# Altium PCB DIO_MCX_Isolated_mezzanine.PCBDOC (part 1 of 3) (continued)
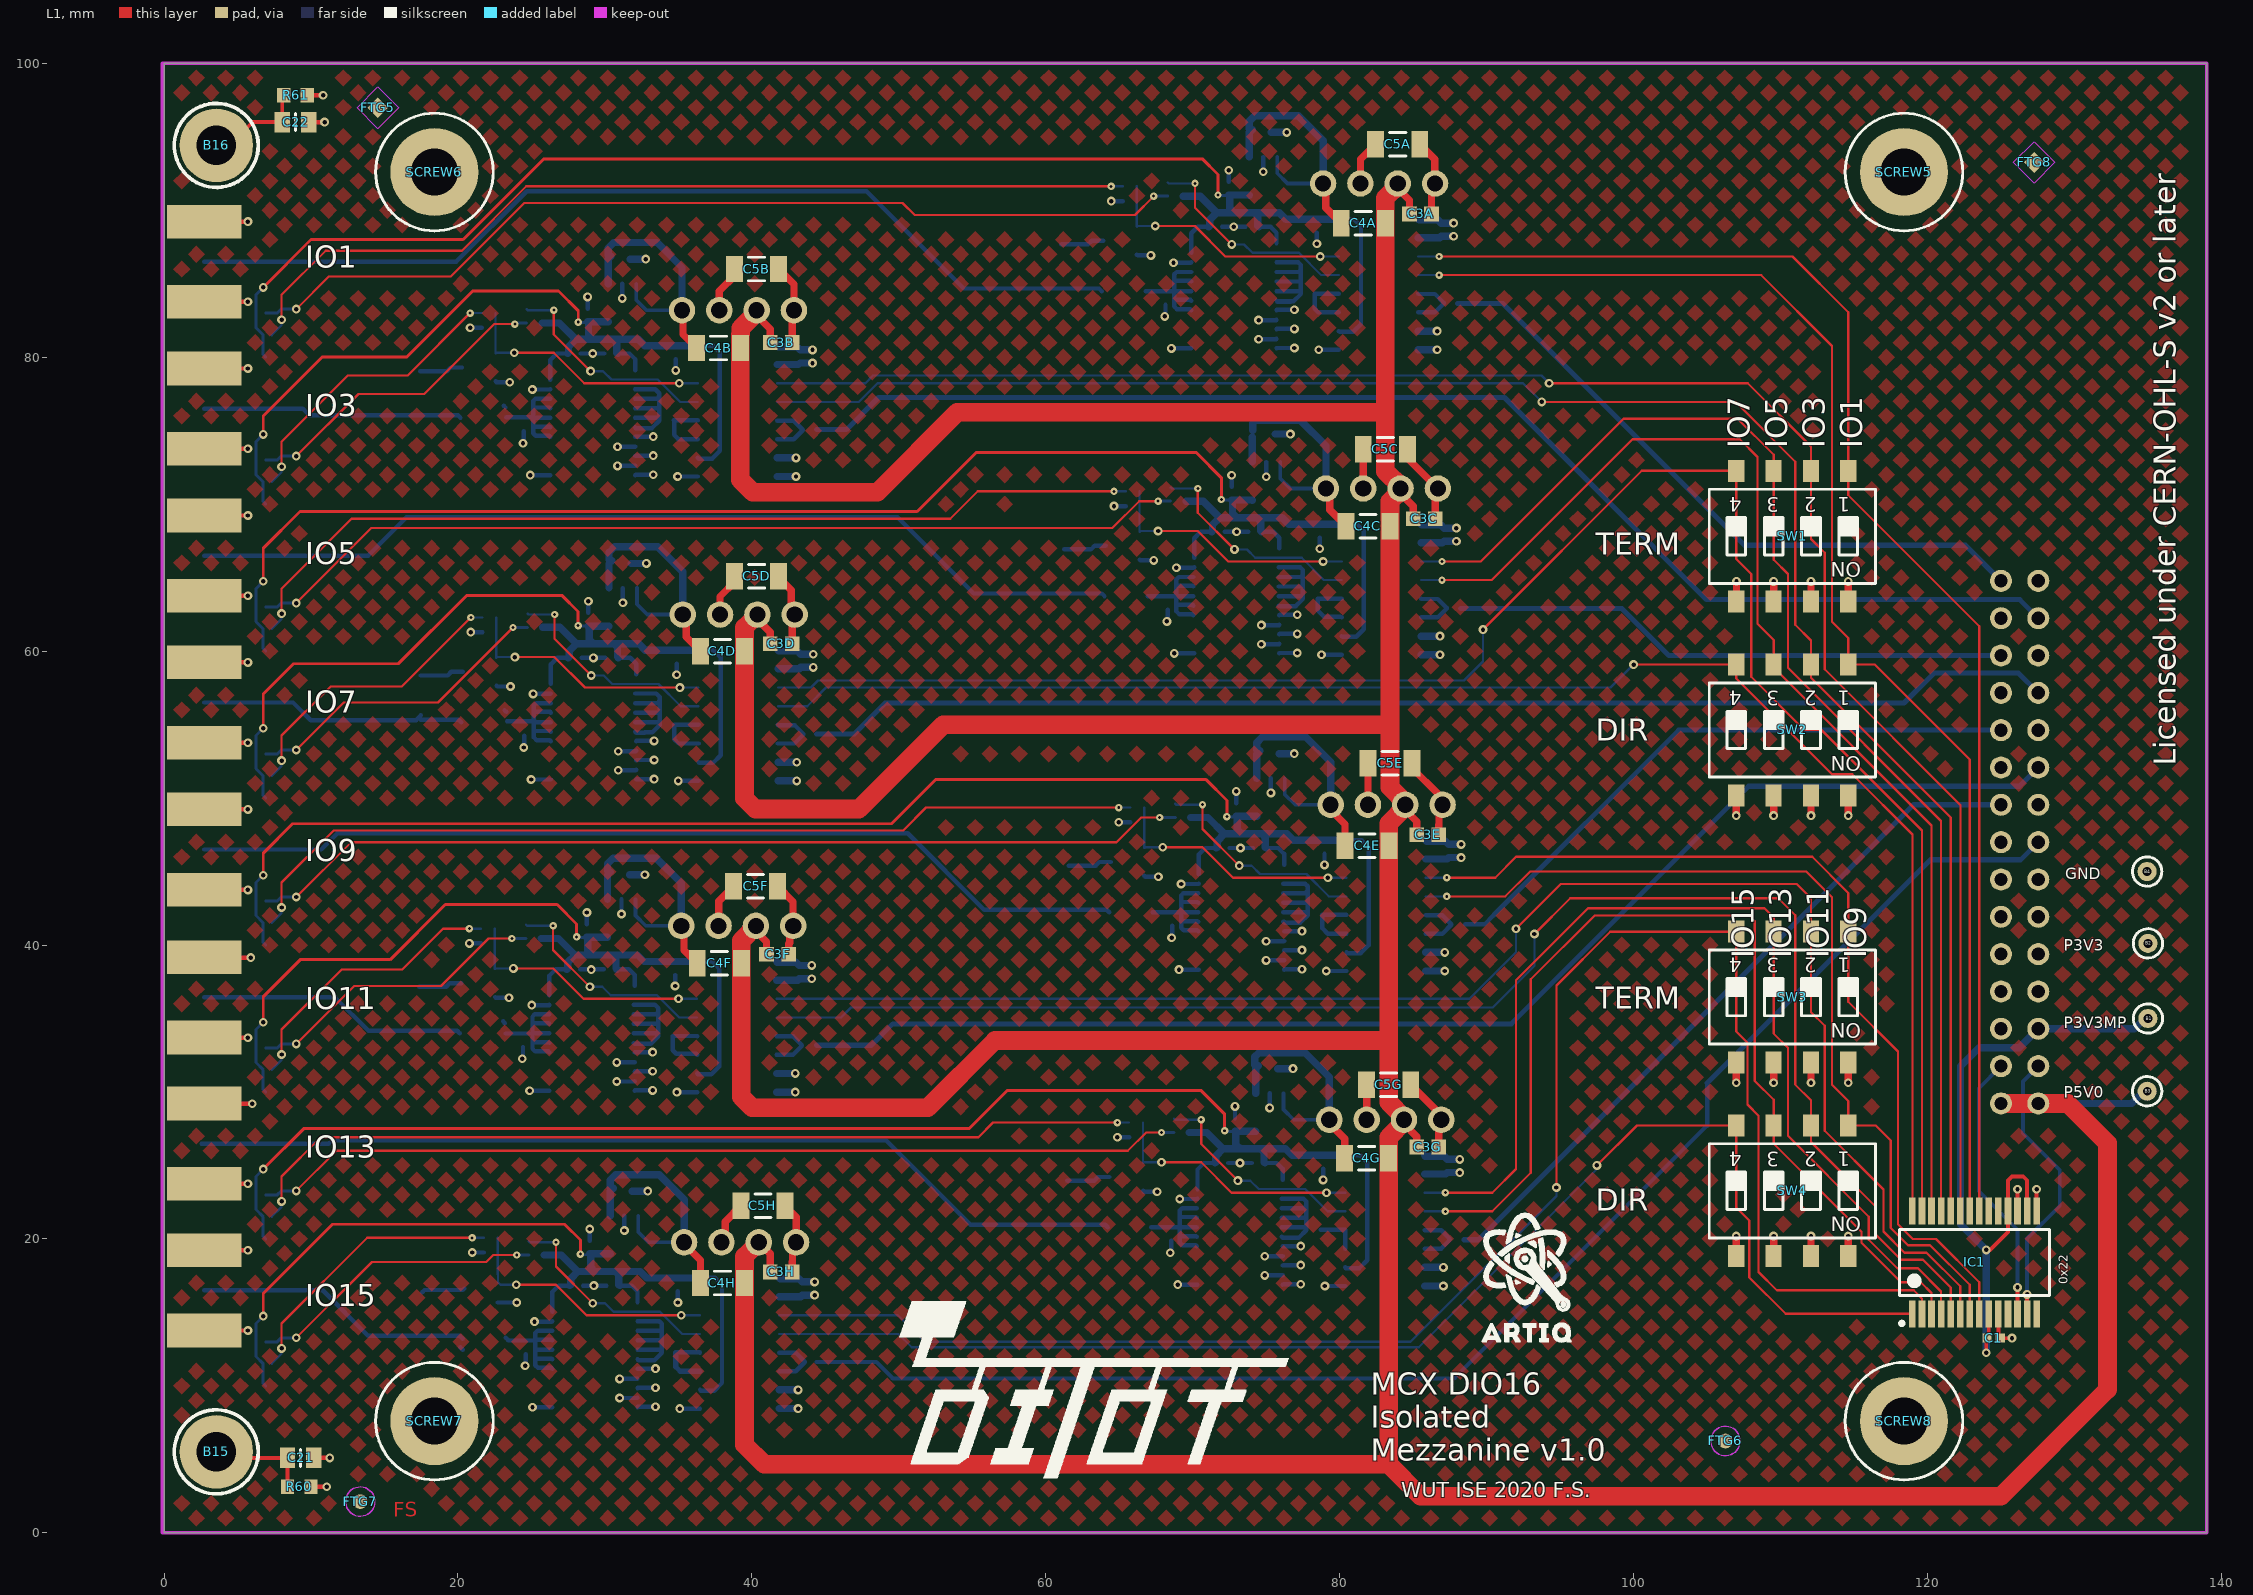
[diagram p0: L1 view]
## Design rules (kind name [scope] priority, off if disabled: settings)
AcuteAngle AcuteAngle_GND [InNet('GND')] p1: minimum=5.00000000000000E+0001 checktracksonly=FALSE
AcuteAngle [All] p2: minimum=5.00000000000000E+0001 checktracksonly=FALSE
Clearance Clearance_balance [InNamedPolygon('BAL_TOP') or InNamedPolygon('BAL_BOT')] p1: gap=0.25 ignorepadtopadclearanceinfootprint=FALSE
Clearance Clearance_KeepOut [OnLayer('Keep-Out Layer') vs NOT (InComponent('J8') OR InComponent('J11'))] p2: gap=0.127 ignorepadtopadclearanceinfootprint=FALSE
Clearance [Not (OnLayer('Keep-Out Layer'))] p3: gap=0.127 ignorepadtopadclearanceinfootprint=FALSE except(0: Arc-Hole Track-Hole SMDPad-Hole THPad-Hole Via-Hole Fill-Hole Poly-Hole Region-Hole Text-Hole; 0.203: Arc-Poly Track-Poly SMDPad-Poly THPad-Poly Via-Poly Fill-Poly Poly-Poly)
Clearance Clearance_abs [All] p4: gap=0.127 ignorepadtopadclearanceinfootprint=FALSE
ComponentClearance ComponentClearance_washer [InComponent('WASHER1') or  InComponent('WASHER2') or InComponent('WASHER3') or InComponent('WASHER4')] p1: gap=0 collisioncheckmode=3 verticalgap=0 showdistances=FALSE
ComponentClearance Clearance_Radiall_Placement [HasFootprint('Coaxipack2') vs HasFootprint('Coaxipack2')] p2: gap=0 collisioncheckmode=3 verticalgap=0.254 showdistances=FALSE
ComponentClearance [All] p3: gap=0.254 collisioncheckmode=3 verticalgap=0.254 showdistances=FALSE
FabricationTestPointUsage TestPointUsage [All] p1: valid=0 allowmultiple=FALSE
FabricationTestpoint Testpoint [(IsPad And (OnTopLayer Or OnBottomLayer))] p1: side=3 testpointundercomponent=TRUE minsize=1.016 maxsize=2.54 preferedsize=1.524 minholesize=0 maxholesize=1.016 preferedholesize=0.813 testpointgrid=0.025 allowsidetop=TRUE allowsidebottom=TRUE usegrid=TRUE gridtolerance=0
Height BottomHeight [All] p1: minheight=0 maxheight=20 prefheight=10
Height TopHeight [OnLayer('Top Layer (LO)')] p2: minheight=0 maxheight=2.5 prefheight=1
HoleSize [All] p1: absolutevalues=TRUE maxlimit=5 minlimit=0.2 maxpercent=80.000 minpercent=20.000
HoleToHoleClearance [All] p1: gap=0.2 allowstackedmicrovias=TRUE
Length [All] p1 off: maxlimit=2540 minlimit=0
MinimumAnnularRing MinimumAnnularRing_Blind [(InNetClass('50_Ohms') OR InDifferentialPairClass('All Differential Pairs'))] p1: minimumring=0.1
MinimumAnnularRing [All] p2: minimumring=0.1
MinimumSolderMaskSliver [All] p1: minsoldermaskwidth=0.05
PlaneClearance [All] p1: clearance=0.25
PlaneConnect PlaneConnect_pad [InPadClass('All Pads')] p1: planeconnectstyle=Relief reliefexpansion=0.508 reliefentries=4 reliefconductorwidth=0.254 reliefairgap=0.254
PlaneConnect [All] p2: planeconnectstyle=Direct reliefexpansion=0.508 reliefentries=4 reliefconductorwidth=0.254 reliefairgap=0.254
PolygonConnect PolygonConnect_pad [IsPad] p1: connectstyle=Relief reliefconductorwidth=0.15 reliefentries=4 polygonreliefangle="90 Angle" airgapwidth=0.152
PolygonConnect [All] p2: connectstyle=Direct reliefconductorwidth=0.254 reliefentries=4 polygonreliefangle="90 Angle" airgapwidth=0.254
RoomDefinition U_Channel6 [InComponentClass('U_Channel6')] p1: confinementstyle=ConfineIn formatcopy=TRUE lockcomponents=FALSE outline 45.075,28.305 14.875,28.305 14.875,46.235 45.075,46.235
RoomDefinition U_Channel2 [InComponentClass('U_Channel2')] p2: confinementstyle=ConfineIn formatcopy=TRUE lockcomponents=FALSE outline 45.125,68.4 14.925,68.4 14.925,88.125 45.125,88.125
RoomDefinition U_Channel3 [InComponentClass('U_Channel3')] p3: confinementstyle=ConfineIn formatcopy=TRUE lockcomponents=FALSE outline 88.945,58.87 58.745,58.87 58.745,75.995 88.945,75.995
RoomDefinition U_Channel4 [InComponentClass('U_Channel4')] p4: confinementstyle=ConfineIn formatcopy=TRUE lockcomponents=FALSE outline 45.175,50.065 14.975,50.065 14.975,67.415 45.175,67.415
RoomDefinition U_Channel5 [InComponentClass('U_Channel5')] p5: confinementstyle=ConfineIn formatcopy=TRUE lockcomponents=FALSE outline 89.265,37.38 59.065,37.38 59.065,54.475 89.265,54.475
RoomDefinition U_Channel7 [InComponentClass('U_Channel7')] p6: confinementstyle=ConfineIn formatcopy=TRUE lockcomponents=FALSE outline 89.175,13.315 58.975,13.315 58.975,33.04 89.175,33.04
RoomDefinition U_Channel8 [InComponentClass('U_Channel8')] p7: confinementstyle=ConfineIn formatcopy=TRUE lockcomponents=FALSE outline 45.27,4.976 15.07,4.976 15.07,24.701 45.27,24.701
RoomDefinition U_Channel1 [InComponentClass('U_Channel1')] p8: confinementstyle=ConfineIn formatcopy=TRUE lockcomponents=FALSE outline 88.75,77.025 58.55,77.025 58.55,96.75 88.75,96.75
RoomDefinition MCX_Isolated_Mezzanine [InComponentClass('MCX_Isolated_Mezzanine')] p9: confinementstyle=ConfineIn formatcopy=TRUE lockcomponents=FALSE outline 160,1.436 199.02,1.436 199.02,14.085 160,14.085
RoutingVias [All] p1: holewidth=0.3 width=0.6 viastyle="Through Hole" minholewidth=0.2 minwidth=0.5 maxholewidth=0.6 maxwidth=1
SMDNeckDown [All] p1 off: percent=100.000
SMDToCorner [All] p1 off: distance=78740
SMDToPlane [All] p1 off: distance=0
SilkToSilkClearance [All] p1: silktosilkclearance=0
SilkToSolderMaskClearance SilkscreenOverComponentPads [IsPad] p1: minsilkscreentomaskgap=0 clearancetoexposedcopper=TRUE
SolderMaskExpansion SolderMaskExpansion_GND_VIA [IsVia AND InNet('GND')] p1: expansion=-0.1
SolderMaskExpansion [All] p2: expansion=0.05
UnRoutedNet [All] p1: checkbadconnections=TRUE
Width "Schematic Width Constraint_39" [InNet('NetIC15F_5')] p1: maxlimit=0.35 minlimit=0.3 preferedwidth=0.35
Width "Schematic Width Constraint_38" [InNet('IO_CON3')] p2: maxlimit=0.35 minlimit=0.3 preferedwidth=0.35
Width "Schematic Width Constraint_37" [InNet('IO13')] p3: maxlimit=0.35 minlimit=0.3 preferedwidth=0.35
Width "Schematic Width Constraint_36" [InNet('NetIC15G_5')] p4: maxlimit=0.35 minlimit=0.3 preferedwidth=0.35
Width "Schematic Width Constraint_35" [InNet('NetIC3F_17')] p5: maxlimit=0.35 minlimit=0.3 preferedwidth=0.35
Width "Schematic Width Constraint_34" [InNet('NetIC3G_17')] p6: maxlimit=0.35 minlimit=0.3 preferedwidth=0.35
Width "Schematic Width Constraint_33" [InNet('NetIC3F_3')] p7: maxlimit=0.35 minlimit=0.3 preferedwidth=0.35
Width "Schematic Width Constraint_32" [InNet('IO3')] p8: maxlimit=0.35 minlimit=0.3 preferedwidth=0.35
Width "Schematic Width Constraint_31" [InNet('NetIC15H_5')] p9: maxlimit=0.35 minlimit=0.3 preferedwidth=0.35
Width "Schematic Width Constraint_30" [InNet('IO15')] p10: maxlimit=0.35 minlimit=0.3 preferedwidth=0.35
Width "Schematic Width Constraint_29" [InNet('IO_CON5')] p11: maxlimit=0.35 minlimit=0.3 preferedwidth=0.35
Width "Schematic Width Constraint_28" [InNet('IO1')] p12: maxlimit=0.35 minlimit=0.3 preferedwidth=0.35
Width "Schematic Width Constraint_27" [InNet('NetIC3H_3')] p13: maxlimit=0.35 minlimit=0.3 preferedwidth=0.35
Width "Schematic Width Constraint_26" [InNet('IO5')] p14: maxlimit=0.35 minlimit=0.3 preferedwidth=0.35
Width "Schematic Width Constraint_25" [InNet('NetIC3G_3')] p15: maxlimit=0.35 minlimit=0.3 preferedwidth=0.35
Width "Schematic Width Constraint_24" [InNet('NetIC3H_17')] p16: maxlimit=0.35 minlimit=0.3 preferedwidth=0.35
Width "Schematic Width Constraint_23" [InNet('NetIC15E_5')] p17: maxlimit=0.35 minlimit=0.3 preferedwidth=0.35
Width "Schematic Width Constraint_22" [InNet('IO11')] p18: maxlimit=0.35 minlimit=0.3 preferedwidth=0.35
Width "Schematic Width Constraint_21" [InNet('IO9')] p19: maxlimit=0.35 minlimit=0.3 preferedwidth=0.35
Width "Schematic Width Constraint_20" [InNet('IO7')] p20: maxlimit=0.35 minlimit=0.3 preferedwidth=0.35
Width "Schematic Width Constraint_19" [InNet('IO_CON9')] p21: maxlimit=0.35 minlimit=0.3 preferedwidth=0.35
Width "Schematic Width Constraint_18" [InNet('IO_CON10')] p22: maxlimit=0.35 minlimit=0.3 preferedwidth=0.35
Width "Schematic Width Constraint_17" [InNet('IO_CON11')] p23: maxlimit=0.35 minlimit=0.3 preferedwidth=0.35
Width "Schematic Width Constraint_16" [InNet('IO_CON15')] p24: maxlimit=0.35 minlimit=0.3 preferedwidth=0.35
Width "Schematic Width Constraint_15" [InNet('IO_CON13')] p25: maxlimit=0.35 minlimit=0.3 preferedwidth=0.35
Width "Schematic Width Constraint_14" [InNet('NetIC3E_17')] p26: maxlimit=0.35 minlimit=0.3 preferedwidth=0.35
Width "Schematic Width Constraint_13" [InNet('NetIC3E_3')] p27: maxlimit=0.35 minlimit=0.3 preferedwidth=0.35
Width "Schematic Width Constraint_12" [InNet('NetIC15D_5')] p28: maxlimit=0.35 minlimit=0.3 preferedwidth=0.35
Width "Schematic Width Constraint_11" [InNet('NetIC3D_17')] p29: maxlimit=0.35 minlimit=0.3 preferedwidth=0.35
Width "Schematic Width Constraint_10" [InNet('NetIC3D_3')] p30: maxlimit=0.35 minlimit=0.3 preferedwidth=0.35
Width "Schematic Width Constraint_9" [InNet('NetIC15C_5')] p31: maxlimit=0.35 minlimit=0.3 preferedwidth=0.35
Width "Schematic Width Constraint_8" [InNet('NetIC3C_17')] p32: maxlimit=0.35 minlimit=0.3 preferedwidth=0.35
Width "Schematic Width Constraint_7" [InNet('NetIC3C_3')] p33: maxlimit=0.35 minlimit=0.3 preferedwidth=0.35
Width "Schematic Width Constraint_6" [InNet('NetIC15B_5')] p34: maxlimit=0.35 minlimit=0.3 preferedwidth=0.35
Width "Schematic Width Constraint_5" [InNet('NetIC3B_17')] p35: maxlimit=0.35 minlimit=0.3 preferedwidth=0.35
Width "Schematic Width Constraint_4" [InNet('NetIC3B_3')] p36: maxlimit=0.35 minlimit=0.3 preferedwidth=0.35
Width "Schematic Width Constraint_3" [InNet('NetIC15A_5')] p37: maxlimit=0.35 minlimit=0.3 preferedwidth=0.35
Width "Schematic Width Constraint_2" [InNet('NetIC3A_17')] p38: maxlimit=0.35 minlimit=0.3 preferedwidth=0.35
Width "Schematic Width Constraint_1" [InNet('NetIC3A_3')] p39: maxlimit=0.35 minlimit=0.3 preferedwidth=0.35
Width "Schematic Width Constraint" [InNet('IO_CON7')] p40: maxlimit=0.35 minlimit=0.3 preferedwidth=0.35
Width [All] p41: maxlimit=2 minlimit=0.152 preferedwidth=0.254
18 further rules are at their usual default settings.

## Classes and differential pairs
channel class Channel_mezzanine: U_Channel1 U_Channel2 U_Channel3 U_Channel4 U_Channel5 U_Channel6 U_Channel7 U_Channel8
component class U_Channel8: C2H C3H C4H C5H C31H C32H C33H C34H C36H D1H IC3H IC15H IC17H IC18H LP1H R1H R61H R62H R63H R64H R65H R66H R67H R69H T5H
component class U_Channel7: C2G C3G C4G C5G C31G C32G C33G C34G C36G D1G IC3G IC15G IC17G IC18G LP1G R1G R61G R62G R63G R64G R65G R66G R67G R69G T5G
component class U_Channel6: C2F C3F C4F C5F C31F C32F C33F C34F C36F D1F IC3F IC15F IC17F IC18F LP1F R1F R61F R62F R63F R64F R65F R66F R67F R69F T5F
component class U_Channel5: C2E C3E C4E C5E C31E C32E C33E C34E C36E D1E IC3E IC15E IC17E IC18E LP1E R1E R61E R62E R63E R64E R65E R66E R67E R69E T5E
component class U_Channel4: C2D C3D C4D C5D C31D C32D C33D C34D C36D D1D IC3D IC15D IC17D IC18D LP1D R1D R61D R62D R63D R64D R65D R66D R67D R69D T5D
component class U_Channel3: C2C C3C C4C C5C C31C C32C C33C C34C C36C D1C IC3C IC15C IC17C IC18C LP1C R1C R61C R62C R63C R64C R65C R66C R67C R69C T5C
component class U_Channel2: C2B C3B C4B C5B C31B C32B C33B C34B C36B D1B IC3B IC15B IC17B IC18B LP1B R1B R61B R62B R63B R64B R65B R66B R67B R69B T5B
component class U_Channel1: C2A C3A C4A C5A C31A C32A C33A C34A C36A D1A IC3A IC15A IC17A IC18A LP1A R1A R61A R62A R63A R64A R65A R66A R67A R69A T5A
component class MCX_Isolated_Mezzanine: B1 B2 B3 B4 B15 B16 C1 C21 C22 FTG3 FTG4 FTG5 FTG6 FTG7 FTG8 IC1 J1 J3 J5 J7 J8 J9 J11 J13 J15 R60 R61 SCREW5 SCREW6 SCREW7 SCREW8 SW1 SW2 SW3 SW4 WASHER1 WASHER2 WASHER3 WASHER4

## Components (designator, comment, footprint, x,y, rotation, side; value= is the part's Value field where it differs from the comment)
B1 "Plated Hole" c130h60 135,35 r270 top
B2 "Plated Hole" c130h60 135,40.11 r270 top
B3 "Plated Hole" c130h60 134.951,30.05 r270 top
B4 "Plated Hole" c130h60 134.942,45 r180 top
B15 "Plated Hole" MTG270_500 3.556,5.512 r180 top locked
B16 "Plated Hole" MTG270_500 3.556,94.412 r180 top locked
C1 "100nF" CAPC1005X55N 124.5,13.25 r180 top
C2A "10uF" CAPC1608X80N 74.602,95.3 r180 bottom (schematic designator C2)
C2B "10uF" CAPC1608X80N 30.977,86.675 r180 bottom (schematic designator C2)
C2C "10uF" CAPC1608X80N 74.797,74.545 r180 bottom (schematic designator C2)
C2D "10uF" CAPC1608X80N 31.027,65.965 r180 bottom (schematic designator C2)
C2E "10uF" CAPC1608X80N 75.117,53.025 r180 bottom (schematic designator C2)
C2F "10uF" CAPC1608X80N 30.927,44.785 r180 bottom (schematic designator C2)
C2G "10uF" CAPC1608X80N 75.027,31.59 r180 bottom (schematic designator C2)
C2H "10uF" CAPC1608X80N 31.122,23.251 r180 bottom (schematic designator C2)
C3A "10uF" CAPC1608X80N 85.5,89.75 r180 top (schematic designator C3)
C3B "10uF" CAPC1608X80N 42,81 r180 top (schematic designator C3)
C3C "10uF" CAPC1608X80N 85.75,69 r180 top (schematic designator C3)
C3D "10uF" CAPC1608X80N 42,60.5 r180 top (schematic designator C3)
C3E "10uF" CAPC1608X80N 86,47.5 r180 top (schematic designator C3)
C3F "10uF" CAPC1608X80N 41.75,39.38 r180 top (schematic designator C3)
C3G "10uF" CAPC1608X80N 86,26.25 r180 top (schematic designator C3)
C3H "10uF" CAPC1608X80N 42,17.75 r180 top (schematic designator C3)
C4A "100pF" CAPC3216X180N 81.605,89.125 r0 top (schematic designator C4)
C4B "100pF" CAPC3216X180N 37.735,80.625 r0 top (schematic designator C4)
C4C "100pF" CAPC3216X180N 81.925,68.5 r0 top (schematic designator C4)
C4D "100pF" CAPC3216X180N 38,60 r0 top (schematic designator C4)
C4E "100pF" CAPC3216X180N 81.865,46.75 r0 top (schematic designator C4)
C4F "100pF" CAPC3216X180N 37.785,38.75 r0 top (schematic designator C4)
C4G "100pF" CAPC3216X180N 81.835,25.5 r0 top (schematic designator C4)
C4H "100pF" CAPC3216X180N 38,17 r0 top (schematic designator C4)
C5A "100pF" CAPC3216X180N 83.95,94.5 r0 top (schematic designator C5)
C5B "100pF" CAPC3216X180N 40.325,86 r0 top (schematic designator C5)
C5C "100pF" CAPC3216X180N 83.105,73.75 r0 top (schematic designator C5)
C5D "100pF" CAPC3216X180N 40.325,65.09 r0 top (schematic designator C5)
C5E "100pF" CAPC3216X180N 83.425,52.37 r0 top (schematic designator C5)
C5F "100pF" CAPC3216X180N 40.25,44 r0 top (schematic designator C5)
C5G "100pF" CAPC3216X180N 83.335,30.5 r0 top (schematic designator C5)
C5H "100pF" CAPC3216X180N 40.75,22.25 r0 top (schematic designator C5)
C21 "Undefined" CAPC2012X135N 9.3,5.1 r0 top
C22 "Undefined" CAPC2012X135N 8.95,96 r0 top
C31A "100nF" CAPC1005X55N 71.54,88.875 r180 bottom (schematic designator C31)
C31B "100nF" CAPC1005X55N 27.915,80.25 r180 bottom (schematic designator C31)
C31C "100nF" CAPC1005X55N 71.735,68.12 r180 bottom (schematic designator C31)
C31D "100nF" CAPC1005X55N 27.965,59.54 r180 bottom (schematic designator C31)
C31E "100nF" CAPC1005X55N 72.055,46.6 r180 bottom (schematic designator C31)
C31F "100nF" CAPC1005X55N 27.865,38.36 r180 bottom (schematic designator C31)
C31G "100nF" CAPC1005X55N 71.965,25.165 r180 bottom (schematic designator C31)
C31H "100nF" CAPC1005X55N 28.06,16.826 r180 bottom (schematic designator C31)
C32A "100nF" CAPC1005X55N 74.04,88.875 r0 bottom (schematic designator C32)
C32B "100nF" CAPC1005X55N 30.415,80.25 r0 bottom (schematic designator C32)
C32C "100nF" CAPC1005X55N 74.235,68.12 r0 bottom (schematic designator C32)
C32D "100nF" CAPC1005X55N 30.465,59.54 r0 bottom (schematic designator C32)
C32E "100nF" CAPC1005X55N 74.555,46.6 r0 bottom (schematic designator C32)
C32F "100nF" CAPC1005X55N 30.365,38.36 r0 bottom (schematic designator C32)
C32G "100nF" CAPC1005X55N 74.465,25.165 r0 bottom (schematic designator C32)
C32H "100nF" CAPC1005X55N 30.56,16.826 r0 bottom (schematic designator C32)
C33A "100nF" CAPC1005X55N 86.9,88.675 r90 bottom (schematic designator C33)
C33B "100nF" CAPC1005X55N 43.275,80.05 r90 bottom (schematic designator C33)
C33C "100nF" CAPC1005X55N 87.095,67.92 r90 bottom (schematic designator C33)
C33D "100nF" CAPC1005X55N 43.325,59.34 r90 bottom (schematic designator C33)
C33E "100nF" CAPC1005X55N 87.415,46.4 r90 bottom (schematic designator C33)
C33F "100nF" CAPC1005X55N 43.225,38.16 r90 bottom (schematic designator C33)
C33G "100nF" CAPC1005X55N 87.325,24.965 r90 bottom (schematic designator C33)
C33H "100nF" CAPC1005X55N 43.42,16.626 r90 bottom (schematic designator C33)
C34A "1uF" CAPC1005X55N 72.45,91.484 r270 bottom (schematic designator C34)
C34B "1uF" CAPC1005X55N 28.825,82.859 r270 bottom (schematic designator C34)
C34C "1uF" CAPC1005X55N 72.645,70.729 r270 bottom (schematic designator C34)
C34D "1uF" CAPC1005X55N 28.875,62.149 r270 bottom (schematic designator C34)
C34E "1uF" CAPC1005X55N 72.965,49.209 r270 bottom (schematic designator C34)
C34F "1uF" CAPC1005X55N 28.775,40.969 r270 bottom (schematic designator C34)
C34G "1uF" CAPC1005X55N 72.875,27.774 r270 bottom (schematic designator C34)
C34H "1uF" CAPC1005X55N 28.97,19.435 r270 bottom (schematic designator C34)
C36A "100nF" CAPC1005X55N 78.45,88.925 r90 bottom (schematic designator C36)
C36B "100nF" CAPC1005X55N 34.825,80.3 r90 bottom (schematic designator C36)
C36C "100nF" CAPC1005X55N 78.645,68.17 r90 bottom (schematic designator C36)
C36D "100nF" CAPC1005X55N 34.875,59.59 r90 bottom (schematic designator C36)
C36E "100nF" CAPC1005X55N 78.965,46.65 r90 bottom (schematic designator C36)
C36F "100nF" CAPC1005X55N 34.775,38.41 r90 bottom (schematic designator C36)
C36G "100nF" CAPC1005X55N 78.875,25.215 r90 bottom (schematic designator C36)
C36H "100nF" CAPC1005X55N 34.97,16.876 r90 bottom (schematic designator C36)
D1A "Red & Green, 120deg" WL-SBSW_1204 6.411,81.5 r270 bottom (schematic designator D1)
D1B "Red & Green, 120deg" WL-SBSW_1204 6.411,71.5 r270 bottom (schematic designator D1)
D1C "Red & Green, 120deg" WL-SBSW_1204 6.411,61.5 r270 bottom (schematic designator D1)
D1D "Red & Green, 120deg" WL-SBSW_1204 6.411,51.5 r270 bottom (schematic designator D1)
D1E "Red & Green, 120deg" WL-SBSW_1204 6.411,41.5 r270 bottom (schematic designator D1)
D1F "Red & Green, 120deg" WL-SBSW_1204 6.411,31.5 r270 bottom (schematic designator D1)
D1G "Red & Green, 120deg" WL-SBSW_1204 6.411,21.5 r270 bottom (schematic designator D1)
D1H "Red & Green, 120deg" WL-SBSW_1204 6.411,11.5 r270 bottom (schematic designator D1)
FTG3 "Use only in PCB" FIDUCIAL_TOP_S100-200 13.35,2.125 r90 bottom
FTG4 "Use only in PCB" FIDUCIAL_TOP_C100-200 106.25,6.25 r90 bottom
FTG5 "Use only in PCB" FIDUCIAL_TOP_S100-200 14.55,96.975 r270 top
FTG6 "Use only in PCB" FIDUCIAL_TOP_C100-200 106.25,6.25 r90 top
FTG7 "Use only in PCB" FIDUCIAL_TOP_C100-200 13.35,2.125 r270 top
FTG8 "Use only in PCB" FIDUCIAL_TOP_S100-200 127.25,93.25 r270 top
IC1 "MCP23017-E/SS" SOP65P780X200-28N 123.2,18.4 r90 top
IC3A "SN74LVC8T245PW" SOP65P640X120-24N 72.8,84.175 r180 bottom (schematic designator IC3)
IC3B "SN74LVC8T245PW" SOP65P640X120-24N 29.175,75.55 r180 bottom (schematic designator IC3)
IC3C "SN74LVC8T245PW" SOP65P640X120-24N 72.995,63.42 r180 bottom (schematic designator IC3)
IC3D "SN74LVC8T245PW" SOP65P640X120-24N 29.225,54.84 r180 bottom (schematic designator IC3)
IC3E "SN74LVC8T245PW" SOP65P640X120-24N 73.315,41.9 r180 bottom (schematic designator IC3)
IC3F "SN74LVC8T245PW" SOP65P640X120-24N 29.125,33.66 r180 bottom (schematic designator IC3)
IC3G "SN74LVC8T245PW" SOP65P640X120-24N 73.225,20.465 r180 bottom (schematic designator IC3)
IC3H "SN74LVC8T245PW" SOP65P640X120-24N 29.32,12.126 r180 bottom (schematic designator IC3)
IC15A "SI8651BB-B-IS1" SOIC127P600X175-16N 82.65,84.95 r180 bottom (schematic designator IC15)
IC15B "SI8651BB-B-IS1" SOIC127P600X175-16N 39.025,76.325 r180 bottom (schematic designator IC15)
IC15C "SI8651BB-B-IS1" SOIC127P600X175-16N 82.845,64.195 r180 bottom (schematic designator IC15)
IC15D "SI8651BB-B-IS1" SOIC127P600X175-16N 39.075,55.615 r180 bottom (schematic designator IC15)
IC15E "SI8651BB-B-IS1" SOIC127P600X175-16N 83.164,42.675 r180 bottom (schematic designator IC15)
IC15F "SI8651BB-B-IS1" SOIC127P600X175-16N 38.975,34.435 r180 bottom (schematic designator IC15)
IC15G "SI8651BB-B-IS1" SOIC127P600X175-16N 83.075,21.24 r180 bottom (schematic designator IC15)
IC15H "SI8651BB-B-IS1" SOIC127P600X175-16N 39.17,12.901 r180 bottom (schematic designator IC15)
IC17A "AP2112K-3.3TRG1" SOT95P285X140-5N 74.802,92.325 r270 bottom (schematic designator IC17)
IC17B "AP2112K-3.3TRG1" SOT95P285X140-5N 31.177,83.7 r270 bottom (schematic designator IC17)
IC17C "AP2112K-3.3TRG1" SOT95P285X140-5N 74.997,71.57 r270 bottom (schematic designator IC17)
IC17D "AP2112K-3.3TRG1" SOT95P285X140-5N 31.227,62.99 r270 bottom (schematic designator IC17)
IC17E "AP2112K-3.3TRG1" SOT95P285X140-5N 75.317,50.05 r270 bottom (schematic designator IC17)
IC17F "AP2112K-3.3TRG1" SOT95P285X140-5N 31.127,41.81 r270 bottom (schematic designator IC17)
IC17G "AP2112K-3.3TRG1" SOT95P285X140-5N 75.227,28.615 r270 bottom (schematic designator IC17)
IC17H "AP2112K-3.3TRG1" SOT95P285X140-5N 31.322,20.275 r270 bottom (schematic designator IC17)
IC18A "RFM-0505S" DCDC_RECOM_RFM 82.68,91.82 r180 bottom (schematic designator IC18)
IC18B "RFM-0505S" DCDC_RECOM_RFM 39.055,83.195 r180 bottom (schematic designator IC18)
IC18C "RFM-0505S" DCDC_RECOM_RFM 82.875,71.065 r180 bottom (schematic designator IC18)
IC18D "RFM-0505S" DCDC_RECOM_RFM 39.105,62.485 r180 bottom (schematic designator IC18)
IC18E "RFM-0505S" DCDC_RECOM_RFM 83.195,49.545 r180 bottom (schematic designator IC18)
IC18F "RFM-0505S" DCDC_RECOM_RFM 39.005,41.305 r180 bottom (schematic designator IC18)
IC18G "RFM-0505S" DCDC_RECOM_RFM 83.105,28.11 r180 bottom (schematic designator IC18)
IC18H "RFM-0505S" DCDC_RECOM_RFM 39.2,19.771 r180 bottom (schematic designator IC18)
J1 "MCX" BEL_133-3701-801 0,86.5 r0 bottom locked
J3 "MCX" BEL_133-3701-801 0,76.5 r0 bottom locked
J5 "MCX" BEL_133-3701-801 0,66.5 r0 bottom locked
J7 "MCX" BEL_133-3701-801 0,56.5 r0 bottom locked
J8 "AMPMODU" TYCO_1-215307-5 126.27,35.57 r90 bottom locked
J9 "MCX" BEL_133-3701-801 0,46.5 r0 bottom locked
J11 "MCX" BEL_133-3701-801 0,36.435 r0 bottom locked
J13 "MCX" BEL_133-3701-801 0,26.485 r0 bottom locked
J15 "MCX" BEL_133-3701-801 0,16.5 r0 bottom locked
LP1A "Color" FIX&FASTEN-LEMB2-8V0-F -2.6,81.5 r0 bottom (schematic designator LP1)
LP1B "Color" FIX&FASTEN-LEMB2-8V0-F -2.6,71.5 r0 bottom (schematic designator LP1)
LP1C "Color" FIX&FASTEN-LEMB2-8V0-F -2.6,61.5 r0 bottom (schematic designator LP1)
LP1D "Color" FIX&FASTEN-LEMB2-8V0-F -2.6,51.5 r0 bottom (schematic designator LP1)
LP1E "Color" FIX&FASTEN-LEMB2-8V0-F -2.6,41.5 r0 bottom (schematic designator LP1)
LP1F "Color" FIX&FASTEN-LEMB2-8V0-F -2.6,31.5 r0 bottom (schematic designator LP1)
LP1G "Color" FIX&FASTEN-LEMB2-8V0-F -2.6,21.5 r0 bottom (schematic designator LP1)
LP1H "Color" FIX&FASTEN-LEMB2-8V0-F -2.6,11.5 r0 bottom (schematic designator LP1)
R1A "33" RESC1005X40N 87.555,83.655 r0 bottom (schematic designator R1)
R1B "33" RESC1005X40N 43.93,75.07 r0 bottom (schematic designator R1)
R1C "33" RESC1005X40N 87.75,62.9 r0 bottom (schematic designator R1)
R1D "33" RESC1005X40N 43.93,54.36 r0 bottom (schematic designator R1)
R1E "33" RESC1005X40N 88.07,41.4 r0 bottom (schematic designator R1)
R1F "33" RESC1005X40N 43.93,33.18 r0 bottom (schematic designator R1)
R1G "33" RESC1005X40N 87.98,19.945 r0 bottom (schematic designator R1)
R1H "33" RESC1005X40N 43.93,11.626 r0 bottom (schematic designator R1)
R60 "0" RESC1608X55N 9.2,3.132 r180 top
R61 "0" RESC1608X55N 8.95,97.82 r180 top
R61A "10k" RESC1005X40N 69.35,91.425 r270 bottom (schematic designator R61)
R61B "10k" RESC1005X40N 25.725,82.8 r270 bottom (schematic designator R61)
R61C "10k" RESC1005X40N 69.545,70.67 r270 bottom (schematic designator R61)
R61D "10k" RESC1005X40N 25.775,62.09 r270 bottom (schematic designator R61)
R61E "10k" RESC1005X40N 69.865,49.15 r270 bottom (schematic designator R61)
R61F "10k" RESC1005X40N 25.675,40.91 r270 bottom (schematic designator R61)
R61G "10k" RESC1005X40N 69.775,27.715 r270 bottom (schematic designator R61)
R61H "10k" RESC1005X40N 25.87,19.376 r270 bottom (schematic designator R61)
R62A "30R" RESC3225X70N 65.3,84.5 r0 bottom (schematic designator R62)
R62B "30R" RESC3225X70N 21.675,75.875 r0 bottom (schematic designator R62)
R62C "30R" RESC3225X70N 65.495,63.745 r0 bottom (schematic designator R62)
R62D "30R" RESC3225X70N 21.725,55.165 r0 bottom (schematic designator R62)
R62E "30R" RESC3225X70N 65.815,42.225 r0 bottom (schematic designator R62)
R62F "30R" RESC3225X70N 21.625,33.985 r0 bottom (schematic designator R62)
R62G "30R" RESC3225X70N 65.725,20.79 r0 bottom (schematic designator R62)
R62H "30R" RESC3225X70N 21.82,13.201 r0 bottom (schematic designator R62)
R63A "22" RESC1005X40N 77.83,84.325 r0 bottom (schematic designator R63)
R63B "22" RESC1005X40N 34.205,75.7 r0 bottom (schematic designator R63)
R63C "22" RESC1005X40N 78.025,63.57 r0 bottom (schematic designator R63)
R63D "22" RESC1005X40N 34.255,54.99 r0 bottom (schematic designator R63)
R63E "22" RESC1005X40N 78.345,42.05 r0 bottom (schematic designator R63)
R63F "22" RESC1005X40N 34.155,33.81 r0 bottom (schematic designator R63)
R63G "22" RESC1005X40N 78.255,20.615 r0 bottom (schematic designator R63)
R63H "22" RESC1005X40N 34.35,12.276 r0 bottom (schematic designator R63)
R64A "49R9" RESC3225X70N 61.05,86.175 r270 bottom (schematic designator R64)
R64B "49R9" RESC3225X70N 17.425,77.55 r270 bottom (schematic designator R64)
R64C "49R9" RESC3225X70N 61.245,65.42 r270 bottom (schematic designator R64)
R64D "49R9" RESC3225X70N 17.475,56.84 r270 bottom (schematic designator R64)
R64E "49R9" RESC3225X70N 61.565,43.9 r270 bottom (schematic designator R64)
R64F "49R9" RESC3225X70N 17.375,35.66 r270 bottom (schematic designator R64)
R64G "49R9" RESC3225X70N 61.475,22.465 r270 bottom (schematic designator R64)
R64H "49R9" RESC3225X70N 17.57,14.876 r270 bottom (schematic designator R64)
R65A "10k" RESC1005X40N 68.15,84.045 r90 bottom (schematic designator R65)
R65B "10k" RESC1005X40N 24.475,75.42 r90 bottom (schematic designator R65)
R65C "10k" RESC1005X40N 68.295,63.29 r90 bottom (schematic designator R65)
R65D "10k" RESC1005X40N 24.525,54.71 r90 bottom (schematic designator R65)
R65E "10k" RESC1005X40N 68.615,41.77 r90 bottom (schematic designator R65)
R65F "10k" RESC1005X40N 24.425,33.53 r90 bottom (schematic designator R65)
R65G "10k" RESC1005X40N 68.525,20.335 r90 bottom (schematic designator R65)
R65H "10k" RESC1005X40N 24.62,12.634 r90 bottom (schematic designator R65)
R66A "1k" RESC1005X40N 65.715,91.625 r180 bottom (schematic designator R66)
R66B "1k" RESC1005X40N 22.09,83 r180 bottom (schematic designator R66)
R66C "1k" RESC1005X40N 65.91,70.87 r180 bottom (schematic designator R66)
R66D "1k" RESC1005X40N 22.14,62.29 r180 bottom (schematic designator R66)
R66E "1k" RESC1005X40N 66.23,49.35 r180 bottom (schematic designator R66)
R66F "1k" RESC1005X40N 22.04,41.11 r180 bottom (schematic designator R66)
R66G "1k" RESC1005X40N 66.141,27.915 r180 bottom (schematic designator R66)
R66H "1k" RESC1005X40N 22.235,20.076 r180 bottom (schematic designator R66)
R67A "10k" RESC1005X40N 65.715,90.625 r0 bottom (schematic designator R67)
R67B "10k" RESC1005X40N 22.09,82 r0 bottom (schematic designator R67)
R67C "10k" RESC1005X40N 65.91,69.87 r0 bottom (schematic designator R67)
R67D "10k" RESC1005X40N 22.14,61.29 r0 bottom (schematic designator R67)
R67E "10k" RESC1005X40N 66.23,48.35 r0 bottom (schematic designator R67)
R67F "10k" RESC1005X40N 22.04,40.11 r0 bottom (schematic designator R67)
R67G "10k" RESC1005X40N 66.141,26.915 r0 bottom (schematic designator R67)
R67H "10k" RESC1005X40N 22.235,19.076 r0 bottom (schematic designator R67)
R69A "1k" RESC1005X40N 68.3,91.425 r270 bottom (schematic designator R69)
R69B "1k" RESC1005X40N 24.675,82.8 r270 bottom (schematic designator R69)
R69C "1k" RESC1005X40N 68.495,70.67 r270 bottom (schematic designator R69)
R69D "1k" RESC1005X40N 24.725,62.09 r270 bottom (schematic designator R69)
R69E "1k" RESC1005X40N 68.815,49.15 r270 bottom (schematic designator R69)
R69F "1k" RESC1005X40N 24.625,40.91 r270 bottom (schematic designator R69)
R69G "1k" RESC1005X40N 68.725,27.715 r270 bottom (schematic designator R69)
R69H "1k" RESC1005X40N 24.82,19.376 r270 bottom (schematic designator R69)
SCREW5 "M3x6" BOSSARD_BN5687-3061605_v 118.4,92.6 r0 top
SCREW6 "M3x6" BOSSARD_BN5687-3061605_v 18.4,92.6 r0 top
SCREW7 "M3x6" BOSSARD_BN5687-3061605_v 18.4,7.6 r0 top
SCREW8 "M3x6" BOSSARD_BN5687-3061605_v 118.4,7.6 r0 top
SW1 "Switch" SW_OMRON_A6S-4102-H 110.8,67.815 r270 top
SW2 "Switch" SW_OMRON_A6S-4102-H 110.8,54.635 r270 top
SW3 "Switch" SW_OMRON_A6S-4102-H 110.8,36.455 r270 top
SW4 "Switch" SW_OMRON_A6S-4102-H 110.8,23.275 r270 top
T5A "BSS138LT1G" SOT95P240X110-3N 65.05,87.925 r180 bottom (schematic designator T5)
T5B "BSS138LT1G" SOT95P240X110-3N 21.425,79.3 r180 bottom (schematic designator T5)
T5C "BSS138LT1G" SOT95P240X110-3N 65.245,67.17 r180 bottom (schematic designator T5)
T5D "BSS138LT1G" SOT95P240X110-3N 21.475,58.59 r180 bottom (schematic designator T5)
T5E "BSS138LT1G" SOT95P240X110-3N 65.565,45.65 r180 bottom (schematic designator T5)
T5F "BSS138LT1G" SOT95P240X110-3N 21.375,37.41 r180 bottom (schematic designator T5)
T5G "BSS138LT1G" SOT95P240X110-3N 65.475,24.215 r180 bottom (schematic designator T5)
T5H "BSS138LT1G" SOT95P240X110-3N 21.57,16.626 r180 bottom (schematic designator T5)
WASHER1 "D6xd3.2" BOSSARD_B3/6/0.3/BN1976_v 118.4,92.6 r90 bottom locked
WASHER2 "D6xd3.2" BOSSARD_B3/6/0.3/BN1976_v 18.4,92.6 r90 bottom
WASHER3 "D6xd3.2" BOSSARD_B3/6/0.3/BN1976_v 118.4,7.6 r90 bottom locked
WASHER4 "D6xd3.2" BOSSARD_B3/6/0.3/BN1976_v 18.4,7.6 r90 bottom

## Footprints (in the part's own frame and the unit in brackets; to place one, negate y for a bottom-side part, rotate by r counter-clockwise, add the part's x,y. Pads: shape width x height; smd on the part's side, far side on the other; paste and mask are expansions set on the pad)
BEL_133-3701-801 [mil] "MCX Jack, End Launch Straight Receptacle - Tab Contact, For 1.6mm Thickness Board"
  rect 200x75 smd: 1(107.88,0)
  rect 200x90 smd far side: 2(107.88,-107.5) 2(107.88,107.5)
  rect 200x90 smd: 2(107.88,-107.5) 2(107.88,107.5)
  silkscreen extent -211,-125 -6,125, body extent -211,-125 125,125, height 134
BOSSARD_B3/6/0.3/BN1976_v [mm] "Flat Washer without Chamfer for M3 Screw, Steel"
  silkscreen extent -3,-3 3,3, body extent -3,-3 3,3, height 0.3
BOSSARD_BN5687-3061605_v [mm] "M3 L=6mm Hexalobular Socket Pan Head Screw, Fully Threaded - Stainless Steel A2"
  silkscreen extent -4,-4 4,4, body extent -2.8,-2.8 2.8,2.8, height 2.4
c130h60 [mm] "Plated Through Hole: Hole Dia.=0.6mm Pad Dia.=1.30mm"
  round 1.3 hole 0.6: 1(0,0)
  silkscreen extent -1,-1 1,1
CAPC1005X55N [mm] "Capacitor, Non-Polarized, Chip; 1.00mm L X 0.50mm W X 0.70mm H, IPC Medium Density"
  rect 0.62x0.62 smd: 1(-0.45,0) 2(0.45,0)
  body extent -0.52,-0.27 0.53,0.28, height 0.55
CAPC1608X80N [mm] "Chip Capacitor, Body 1.6x0.8mm IPC Medium Density"
  rect 1x1 smd: 1(-0.75,0) 2(0.75,0)
  body extent -0.87,-0.47 0.88,0.48, height 0.8
CAPC2012X135N [mm] "Chip Capacitor, Body 2.0x1.25mm, IPC Medium Density"
  rect 1.05x1.4 smd: 1(-0.9,0) 2(0.9,0)
  silkscreen extent 0,-0.58 0,0.58, body extent -1.05,-0.67 1.05,0.68, height 1.25
CAPC3216X180N [mm] "Chip Capacitor, Body 3.2x1.6mm, IPC Medium Density"
  rect 1.15x1.8 smd: 1(-1.5,0) 2(1.5,0)
  silkscreen extent -0.55,-0.8 0.55,0.8, body extent -1.7,-0.9 1.7,0.9, height 1.8
DCDC_RECOM_RFM [mm] "RFM Series , Body 11.5 x 6.00mm, SIP-4 Package"
  round 1.8 hole 1.1: 1(-3.81,0) 2(-1.27,0) 3(1.27,0) 4(3.81,0)
  silkscreen extent -5.75,-2.05 5.75,4.75, body extent -5.75,-1.24 5.75,4.76, height 10.5
FIDUCIAL_TOP_C100-200 [mm] "Round Fiducial Target, Top Layer, 1.0mm, Top Solder 2.0mm, Keepout =2.0mm"
  round 1 smd paste-0.51 mask+0.5: FTG2(0,0)
  L1 keep-out circle w0.1: c0,0 r1
FIDUCIAL_TOP_S100-200 [mm] "Square Fiducial Target, Top Layer, 1.0mm, Top Solder 2.0mm, Keepout =2.0mm"
  rect 1x1 smd rot 45 paste-0.51 mask+0.5: 1(0,0)
  L1 keep-out region: 1.414,0 0,-1.414 -1.414,0 0,1.414
FIX&FASTEN-LEMB2-8V0-F [mm] "Right Angle Single Element 2.3x8mm Round Lightpipe"
  silkscreen extent 0,-1.15 8,1.15, body extent 0,-1.15 8,1.15, height 2.15
MTG270_500 [mm] "Plated Through Hole: Hole Dia.=2.7mm Pad Dia.=5.0mm"
  round 5 hole 2.7: 1(0,0)
RESC1005X40N [mm] "Chip Resistor, EIA 0402, Metric 1005, Body 1.0x0.5mm, IPC Medium Density"
  rect 0.58x0.62 smd: 1(-0.47,0) 2(0.47,0)
  body extent -0.52,-0.27 0.53,0.28, height 0.4
RESC1608X55N [mm] "Chip Resistor, EIA 0603, Metric 1608, Body 1.6x0.8mm, IPC Medium Density"
  rect 0.9x1 smd: 1(-0.8,0) 2(0.8,0)
  body extent -0.87,-0.47 0.88,0.48, height 0.55
RESC3225X70N [mm] "Chip Resistor, EIA 1210, Metric 3225, Body 3.2x2.5mm, IPC Medium Density"
  rect 1.15x2.7 smd: 1(-1.5,0) 2(1.5,0)
  silkscreen extent -0.55,-1.25 0.55,1.25, body extent -1.7,-1.35 1.7,1.35, height 0.7
SOIC127P600X175-16N [mm] "SOIC 16, Pitch 1.27mm - Body 4x10mm, IPC Medium Density"
  rect 1.55x0.6 smd: 1(-2.7,4.445) 2(-2.7,3.175) 3(-2.7,1.905) 4(-2.7,0.635) 5(-2.7,-0.635) 6(-2.7,-1.905) 7(-2.7,-3.175) 8(-2.7,-4.445) 9(2.7,-4.445) 10(2.7,-3.175) 11(2.7,-1.905) 12(2.7,-0.635) 13(2.7,0.635) 14(2.7,1.905) 15(2.7,3.175) 16(2.7,4.445)
  silkscreen extent -2.45,-5 1.55,5.37, body extent -3.1,-5 3.1,5, height 1.75
SOP65P640X120-24N [mm] "SOP, 0.65mm Pitch; 24 Pin, 4.40mm W X 7.80mm L X 1.20mm H Body, IPC Medium Density"
  rect 1.5x0.45 smd: 1(-2.9,3.575) 2(-2.9,2.925) 3(-2.9,2.275) 4(-2.9,1.625) 5(-2.9,0.975) 6(-2.9,0.325) 7(-2.9,-0.325) 8(-2.9,-0.975) 9(-2.9,-1.625) 10(-2.9,-2.275) 11(-2.9,-2.925) 12(-2.9,-3.575) 13(2.9,-3.575) 14(2.9,-2.925) 15(2.9,-2.275) 16(2.9,-1.625) 17(2.9,-0.975) 18(2.9,-0.325) 19(2.9,0.325) 20(2.9,0.975) 21(2.9,1.625) 22(2.9,2.275) 23(2.9,2.925) 24(2.9,3.575)
  silkscreen extent -3.73,-3.9 1.83,4.42, body extent -3.12,-3.95 3.12,3.95, height 1.2
SOP65P780X200-28N [mm] "SOP, 0.65mm Pitch; 28 Pin, 5.30mm W X 10.20mm L X 2.00mm H Body, IPC Medium Density"
  rect 1.85x0.45 smd: 1(-3.5,4.225) 2(-3.5,3.575) 3(-3.5,2.925) 4(-3.5,2.275) 5(-3.5,1.625) 6(-3.5,0.975) 7(-3.5,0.325) 8(-3.5,-0.325) 9(-3.5,-0.975) 10(-3.5,-1.625) 11(-3.5,-2.275) 12(-3.5,-2.925) 13(-3.5,-3.575) 14(-3.5,-4.225) 15(3.5,-4.225) 16(3.5,-3.575) 17(3.5,-2.925) 18(3.5,-2.275) 19(3.5,-1.625) 20(3.5,-0.975) 21(3.5,-0.325) 22(3.5,0.325) 23(3.5,0.975) 24(3.5,1.625) 25(3.5,2.275) 26(3.5,2.925) 27(3.5,3.575) 28(3.5,4.225)
  silkscreen extent -4.27,-5.1 2.25,5.1, body extent -4.11,-5.25 4.11,5.25, height 2
SOT95P240X110-3N [mm] "SOT23 3-Leads, Pitch 0.95mm, Body 1.3x2.9mm, IPC Medium Density"
  rect 1.05x0.65 smd: 1(-1.15,0.95) 2(-1.15,-0.95) 3(1.15,0)
  silkscreen extent -1.53,-1.45 0.3,1.92, body extent -1.25,-1.5 1.25,1.5, height 1.1
SOT95P285X140-5N [mm] "SOT23, 5-Leads, Body 3.00x2.85mm, Pitch 0.95mm, IPC Medium Density"
  rect 1.1x0.6 smd: 1(-1.3,0.95) 2(-1.3,0) 3(-1.3,-0.95) 4(1.3,-0.95) 5(1.3,0.95)
  silkscreen extent -1.72,-1.5 0.42,1.87, body extent -1.42,-1.5 1.43,1.5, height 1.4
SW_OMRON_A6S-4102-H [mm] "Pitch 2.54mm, Body 11.3x6.4mm, 4 Ways SPST Surface-Mounting DIP Switch, OMRON A6S-H"
  rect 1.5x1.1 smd: 1(-4.45,3.81) 2(-4.45,1.27) 3(-4.45,-1.27) 4(-4.45,-3.81) 5(4.45,-3.81) 6(4.45,-1.27) 7(4.45,1.27) 8(4.45,3.81)
  silkscreen extent -3.2,-5.65 3.2,5.65, body extent -4.9,-5.55 4.9,5.55, height 3.97
TYCO_1-215307-5 [mm] "30 Contacts - Pitch 2.54mm - Dual Row Top Entry Socket"
  round 1.5 hole 0.9: 1(-6.35,1.27) 2(-6.35,-1.27) 3(-3.81,1.27) 4(-3.81,-1.27) 5(-1.27,1.27) 6(-1.27,-1.27) 7(1.27,1.27) 8(1.27,-1.27) 9(3.81,1.27) 10(3.81,-1.27) 11(6.35,1.27) 12(6.35,-1.27) 13(8.89,1.27) 14(8.89,-1.27) 15(11.43,1.27) 16(11.43,-1.27) 17(13.97,1.27) 18(13.97,-1.27) 19(16.51,1.27) 20(16.51,-1.27) 21(19.05,1.27) 22(19.05,-1.27) 23(21.59,1.27) 24(21.59,-1.27) 25(24.13,1.27) 26(24.13,-1.27) 27(26.67,1.27) 28(26.67,-1.27) 29(29.21,1.27) 30(29.21,-1.27)
  silkscreen extent -7.62,-2.54 30.48,3.26, body extent -7.62,-2.53 30.48,2.53, height 7.01
WL-SBSW_1204 [mm] "SMD Bi-color Side view Waterclear, body 3.2x1mm"
  rect 0.9x0.7 smd: 1(0,-0.91)
  rect 1.2x0.7 smd: 2(1.5,-0.51) 3(-1.5,-0.51)
  silkscreen extent -0.98,0.04 0.98,0.75, body extent -1.6,-0.76 1.6,0.74, height 1.02